# Altium PCB PCB1.PcbDoc
Units mm, origin at the board's own origin, x right, y up, seen from the top; angles counter-clockwise.
Board outline 100 x 60 mm, 2 copper layers (Top Layer, Bottom Layer); 44 components, 62 nets, 220 pads, 27 vias.
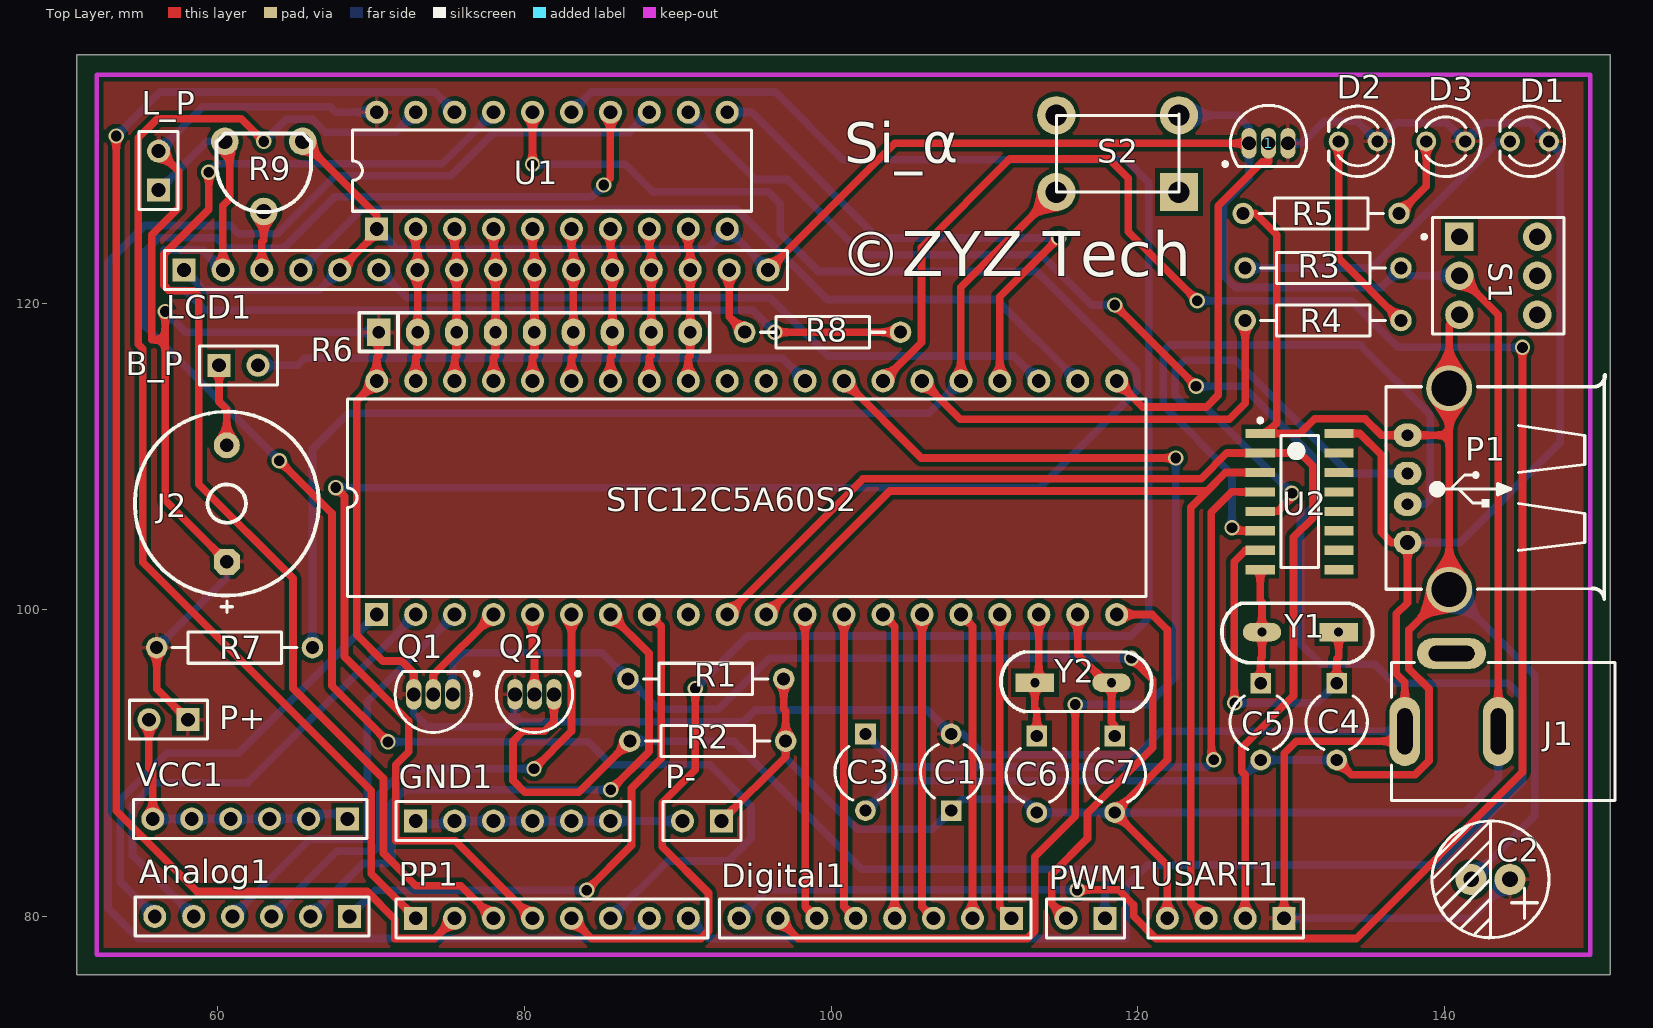
[diagram p0: Top Layer view]
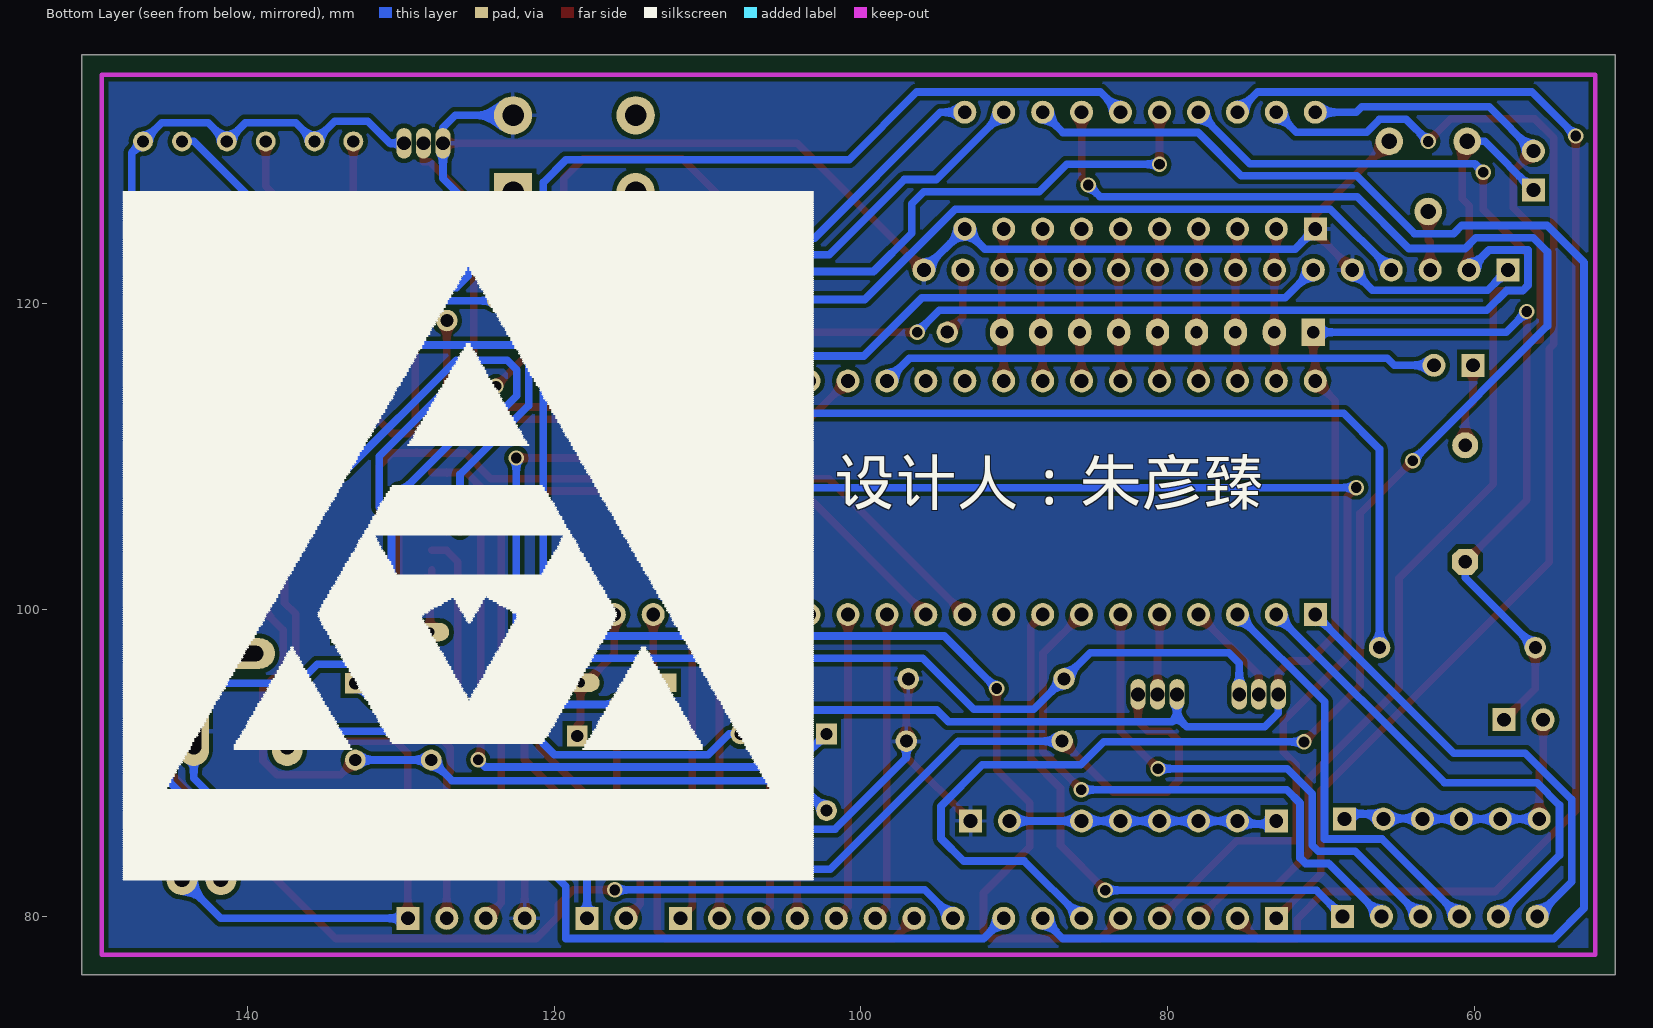
[diagram p1: Bottom Layer view, seen from below]

## Layer stack, top to bottom
Top Solder: solder mask 0.0102, Solder Resist, Dk 3.5
Top Layer: signal copper 0.0356
Dielectric 1: dielectric 0.32, FR-4, Dk 4.8
Bottom Layer: signal copper 0.0356
Bottom Solder: solder mask 0.0102, Solder Resist, Dk 3.5

## Board outline
50.8,76.2 150.8,76.2 150.8,136.2 50.8,136.2

## Design rules (kind name [scope] priority, off if disabled: settings)
Clearance [All] p1: gap=0.3
PolygonConnect [All] p1: connectstyle=Relief reliefconductorwidth=0.254 reliefentries=4 polygonreliefangle="90 Angle" airgapwidth=0.254
RoutingVias [All] p1: holewidth=0.8 width=1.6 viastyle="Through Hole" minholewidth=0.711 minwidth=1.27 maxholewidth=0.711 maxwidth=1.27
SolderMaskExpansion [All] p1: expansion=0.102
Width [All] p1: maxlimit=0.6 minlimit=0.3 preferedwidth=0.5 minimp=50.000000 maximp=50.000000 favimp=50.000000
30 further rules are at their usual default settings.

## Components (designator, comment, footprint, x,y, rotation, side; value= is the part's Value field where it differs from the comment)
1 "DS18B20" TO-92A 128.524,130.429 r270 top
Analog1 "Header 6" HDR1X6 68.58,80.01 r180 top
B_P "Beep" HDR1X2 60.071,115.951 r0 top (schematic designator P2)
C1 "Cap Semi" CAPR5-4X5 107.823,89.408 r90 top
C2 "Cap Pol2" RB.1/.3 144.272,82.423 r0 top
C3 "Cap Semi" CAPR5-4X5 102.235,89.408 r270 top
C4 "Cap Semi" CAPR5-4X5 132.969,92.71 r270 top
C5 "Cap Semi" CAPR5-4X5 128.016,92.71 r270 top
C6 "Cap Semi" CAPR5-4X5 113.411,89.281 r270 top
C7 "Cap Semi" CAPR5-4X5 118.491,89.281 r270 top
D1 "LED0" LED_A2 145.542,130.556 r0 top
D2 "LED0" LED_A2 134.366,130.556 r0 top
D3 "LED0" LED_A2 140.081,130.556 r0 top
Digital1 "Header 8H" HDR1X8 111.76,79.883 r180 top
GND1 "Header 6" HDR1X6 72.898,86.233 r0 top
J1 "PWRCON" DC-005 136.398,92.075 r180 top
J2 "BEEP-S" BEEP-S 60.579,106.934 r90 top
L_P "LCD_P" HDR1X2 56.134,127.381 r90 top (schematic designator P5)
LCD1 "LCD1602" HDR1X16 57.785,122.174 r0 top
P1 "USB" USB 137.16,108.966 r90 top
P+ "P+" HDR1X2 58.039,92.837 r180 top (schematic designator P3)
P- "P-" HDR1X2 92.837,86.233 r180 top (schematic designator P4)
PP1 "Header 8H" HDR1X8 72.898,79.883 r0 top
PWM1 "PWM OUT" HDR1X2 117.856,79.883 r180 top
Q1 "NPN" TO-92A 74.041,94.488 r90 top
Q2 "NPN" TO-92A 80.645,94.488 r90 top
R1 "Res2" AXIAL-0.4 91.821,95.504 r180 top
R2 "Res2" AXIAL-0.4 91.948,91.44 r180 top
R3 "Res2" AXIAL-0.4 132.08,122.301 r180 top
R4 "Res2" AXIAL-0.4 132.08,118.872 r0 top
R5 "Res2" AXIAL-0.4 131.953,125.857 r180 top
R6 "RES10" SIP9 70.485,118.11 r0 top
R7 "Res2" AXIAL-0.4 61.087,97.536 r180 top
R8 "Res2" AXIAL-0.4 99.441,118.11 r180 top
R9 "10K" RVR-2 62.992,129.54 r0 top
S1 "SW-SPST" SWITCH_B1 143.51,121.793 r0 top
S2 "SW-PB" SW-80 122.682,127.254 r180 top
STC12C5A60S2 "U2" DIP-40 94.488,107.315 r0 top (schematic designator STC1)
U1 "74HC573" DIP-20 81.788,128.651 r0 top
U2 "CH340G" SOIC127P600X170-16N 130.556,107.061 r0 top
USART1 "Header 4" HDR1X4 129.54,79.883 r180 top
VCC1 "Header 6" HDR1X6 68.453,86.36 r180 top
Y1 "XTAL" XTAL 133.096,98.552 r180 top
Y2 "XTAL" XTAL 113.284,95.25 r0 top

## Footprints (in the part's own frame and the unit in brackets; to place one, negate y for a bottom-side part, rotate by r counter-clockwise, add the part's x,y. Pads: shape width x height; smd on the part's side, far side on the other; paste and mask are expansions set on the pad)
AXIAL-0.4 [mm] "Axial Device, Thru-Hole; 2 Leads; 0.4 in Pin Spacing"
  round 1.4 hole 0.85: 1(-5.08,0) 2(5.08,0)
  silkscreen extent -4.06,-1.02 4.06,1.02
BEEP-S [mm] "有源蜂鸣器"
  oct 1.7x1.7 hole 0.9: 1(-3.8,0)
  round 1.7 hole 0.9: 2(3.8,0)
  silkscreen extent -7.11,-6 6,6
CAPR5-4X5 [mm] "Capacitor; 2 Leads"
  rect 1.35x1.35 hole 0.8: 1(-2.5,0)
  round 1.35 hole 0.8: 2(2.5,0)
  silkscreen extent -1.69,-2 1.82,2
DC-005 [mm] "DC电源插座"
  oval 2x4.5 hole 1 slot 3 at 90 deg: 1(-1.016,0) 2(-7.112,0)
  oval 4.5x2 hole 1 slot 3 at 0 deg: 3(-4.064,-5.08)
  silkscreen extent -14.73,-4.5 -0.13,4.5, body extent -14.59,-5.01 -0.76,4.5, height 11.02
DIP-20 [mm]
  rect 1.5x1.5 hole 0.9: 1(-11.43,-3.81)
  round 1.5 hole 0.9: 2(-8.89,-3.81) 3(-6.35,-3.81) 4(-3.81,-3.81) 5(-1.27,-3.81) 6(1.27,-3.81) 7(3.81,-3.81) 8(6.35,-3.81) 9(8.89,-3.81) 10(11.43,-3.81) 11(11.43,3.81) 12(8.89,3.81) 13(6.35,3.81) 14(3.81,3.81) 15(1.27,3.81) 16(-1.27,3.81) 17(-3.81,3.81) 18(-6.35,3.81) 19(-8.89,3.81) 20(-11.43,3.81)
  silkscreen extent -13,-2.65 13,2.65
DIP-40 [mm]
  rect 1.5x1.5 hole 0.9: 1(-24.13,-7.62)
  round 1.5 hole 0.9: 2(-21.59,-7.62) 3(-19.05,-7.62) 4(-16.51,-7.62) 5(-13.97,-7.62) 6(-11.43,-7.62) 7(-8.89,-7.62) 8(-6.35,-7.62) 9(-3.81,-7.62) 10(-1.27,-7.62) 11(1.27,-7.62) 12(3.81,-7.62) 13(6.35,-7.62) 14(8.89,-7.62) 15(11.43,-7.62) 16(13.97,-7.62) 17(16.51,-7.62) 18(19.05,-7.62) 19(21.59,-7.62) 20(24.13,-7.62) 21(24.13,7.62) 22(21.59,7.62) 23(19.05,7.62) 24(16.51,7.62) 25(13.97,7.62) 26(11.43,7.62) 27(8.89,7.62) 28(6.35,7.62) 29(3.81,7.62) 30(1.27,7.62) 31(-1.27,7.62) 32(-3.81,7.62) 33(-6.35,7.62) 34(-8.89,7.62) 35(-11.43,7.62) 36(-13.97,7.62) 37(-16.51,7.62) 38(-19.05,7.62) 39(-21.59,7.62) 40(-24.13,7.62)
  silkscreen extent -26.05,-6.45 26.05,6.45
HDR1X2 [mm] "Connector; Header; 2 Position"
  rect 1.5x1.5 hole 0.9: 1(0,0)
  round 1.5 hole 0.9: 2(2.54,0)
  silkscreen extent -1.27,-1.27 3.81,1.27
HDR1X4 [mm] "Connector; Header; 4 Position"
  rect 1.5x1.5 hole 0.9: 1(0,0)
  round 1.5 hole 0.9: 2(2.54,0) 3(5.08,0) 4(7.62,0)
  silkscreen extent -1.27,-1.27 8.89,1.27
HDR1X6 [mm] "Connector; Header; 6 Position"
  rect 1.5x1.5 hole 0.9: 1(0,0)
  round 1.5 hole 0.9: 2(2.54,0) 3(5.08,0) 4(7.62,0) 5(10.16,0) 6(12.7,0)
  silkscreen extent -1.27,-1.27 13.97,1.27
HDR1X8 [mm] "Connector; Header; 8 Position"
  rect 1.5x1.5 hole 0.9: 1(0,0)
  round 1.5 hole 0.9: 2(2.54,0) 3(5.08,0) 4(7.62,0) 5(10.16,0) 6(12.7,0) 7(15.24,0) 8(17.78,0)
  silkscreen extent -1.27,-1.27 19.05,1.27
HDR1X16 [mm] "Connector; Header; 16 Position"
  rect 1.5x1.5 hole 0.9: 1(0,0)
  round 1.5 hole 0.9: 2(2.54,0) 3(5.08,0) 4(7.62,0) 5(10.16,0) 6(12.7,0) 7(15.24,0) 8(17.78,0) 9(20.32,0) 10(22.86,0) 11(25.4,0) 12(27.94,0) 13(30.48,0) 14(33.02,0) 15(35.56,0) 16(38.1,0)
  silkscreen extent -1.27,-1.27 39.37,1.27
LED_A2 [mm] "直径3MM LED"
  round 1.3 hole 0.8: 1(1.27,0) 2(-1.27,0)
  silkscreen extent -1.91,-2.3 2.3,2.3, body extent -2,-2 2,2, height 4.5
RB.1/.3 [mil]
  round 80 hole 40: 1(0,0) 2(-100,0)
  silkscreen extent -200,-150 100,150
RVR-2 [mm]
  round 1.8 hole 1: 1(-2.54,1.016) 2(0,-3.556) 3(2.54,1.016)
  silkscreen extent -3.09,-3.6 3.09,1.52, body extent -3.2,-4.52 3.2,2.48, height 7.5
SIP9 [mil]
  rect 60x70 hole 32: 1(0,0)
  oval 60x70 hole 32: 2(100,0) 3(200,0) 4(300,0) 5(400,0) 6(500,0) 7(600,0) 8(700,0) 9(800,0)
  silkscreen extent -50,-50 850,50
SOIC127P600X170-16N [mm] "SOIC, 16-Leads, Body 8.6x4.0mm (max), Pitch 1.27mm, IPC Medium Density"
  rect 1.9x0.6 smd: 1(-2.575,4.445) 2(-2.575,3.175) 3(-2.575,1.905) 4(-2.575,0.635) 5(-2.575,-0.635) 6(-2.575,-1.905) 7(-2.575,-3.175) 8(-2.575,-4.445) 9(2.575,-4.445) 10(2.575,-3.175) 11(2.575,-1.905) 12(2.575,-0.635) 13(2.575,0.635) 14(2.575,1.905) 15(2.575,3.175) 16(2.575,4.445)
  silkscreen extent -2.7,-4.3 1.22,5.42, body extent -1.98,-4.28 1.97,4.28, height 1.7
SW-80 [mm]
  rect 2.5x2.5 hole 1.4: 1(0,0)
  round 2.5 hole 1.4: 2(0,-5) 3(8,-5) 4(8,0)
  silkscreen extent 0,-5.08 8,0
SWITCH_B1 [mm] "单刀"
  rect 1.85x1.85 hole 1.1: 1(-2.54,2.54)
  round 1.85 hole 1.1: 2(-2.54,0) 3(-2.54,-2.54) 4(2.54,-2.54) 5(2.54,0) 6(2.54,2.54)
  silkscreen extent -4.96,-3.81 4.28,3.81
TO-92A [mm] "TO, Flat Index; 3 In-Line, Axial Leads; Body Dia. 4.5mm; Leads 0.51 x 0.48 mm (max)"
  oval 2x1 hole 0.9: 1(0,-1.27) 2(0,0) 3(0,1.27)
  silkscreen extent -2.48,-2.95 1.5,2.48, body extent -2.5,-2.5 1.5,2.5, height 6.86
USB [mil]
  oval 60x70.87 hole 39.37: 1(-180,-17)
  oval 60x70.87 hole 30: 2(-81.57,-17) 3(-2.83,-17) 4(95.59,-17)
  round 118.11 hole 90.55: 5(-300.87,-123.69) 5(216.46,-123.69)
  silkscreen extent -325,-524 250,38
XTAL [mm] "XTAL"
  rect 2.5x1.2 hole 0.6: 1(0,0)
  oval 2.5x1.2 hole 0.6: 2(5,0)
  silkscreen extent -2.21,-1.88 7.62,2

## Part data
1: "温度传感器"
Analog1 GND1 VCC1: "Header, 6-Pin"
B_P L_P P+ P- PWM1: library part "Header 2", "Header, 2-Pin"
C1 C3 C4 C5 C6 C7: "Capacitor (Semiconductor SIM Model)"
C2: "Polarized Capacitor (Axial)"
D1 D2 D3: "发光二极管"
Digital1 PP1: "Header, 8-Pin, Right Angle"
J1: "直流电源端子"
J2: "有源蜂鸣器"
P1: "USB Port"
Q1 Q2: library part NPN2, "三极管"
R1 R2 R3 R4 R5 R7 R8: "Resistor"
R9: library part VR
S1: "Single-Pole, Single-Throw Switch"
S2: "Switch"
STC12C5A60S2: library part 89C51
U2: library part Component_1
USART1: "Header, 4-Pin"
Y1 Y2: "Crystal Oscillator"

## Via types
v1: diameter 1, hole 0.7, Top Layer to Bottom Layer, 27 vias

## Nets (pads, with @x,y where several pads share a name; then routed paths per layer and width w, separated by ;. In a path a pad name is that pad's centre, name@x,y a point inside that pad or via, vN(x,y) a via of type N, cw(c..) or ccw(c..) an arc to the next point about the centre after c; other vN are vias at no path point)
A0: Analog1.6 STC12C5A60S2.1 | length 30.3
  Bottom Layer w0.5: Analog1.6 53.632,82.258 53.632,87.63 56.655,90.653 61.316,90.653 STC12C5A60S2.1
A1: Analog1.5 STC12C5A60S2.2 | length 32.5
  Bottom Layer w0.5: Analog1.5 54.432,83.998 54.432,87.27 55.884,88.722 61.925,88.722 STC12C5A60S2.2
A2: Analog1.4 STC12C5A60S2.3 | length 27.9
  Bottom Layer w0.5: Analog1.4 66.01,85.06 69.753,85.06 69.753,90.04 69.745,90.048 69.745,94.002 STC12C5A60S2.3
A3: Analog1.3 STC12C5A60S2.6 | length 34.1
  Top Layer w0.5: v1(80.62,89.637) 83.058,92.075 STC12C5A60S2.6
  Bottom Layer w0.5: Analog1.3 67.75,84.26 70.168,84.26 70.553,84.645 70.553,88.003 72.187,89.637 v1(80.62,89.637)
A4: Analog1.2 STC12C5A60S2.7 | length 38.6
  Top Layer w0.5: STC12C5A60S2.7 88.118,97.175 88.118,90.76 v1(85.623,88.265)
  Bottom Layer w0.5: Analog1.2 69.49,83.46 70.993,83.46 71.353,83.82 71.353,87.406 72.212,88.265 v1(85.623,88.265)
A5: Analog1.1 STC12C5A60S2.8 | length 36.5
  Top Layer w0.5: v1(84.049,81.712) 86.973,84.637 86.973,88.365 88.918,90.31 88.918,98.915 STC12C5A60S2.8
  Bottom Layer w0.5: Analog1.1 70.282,81.712 v1(84.049,81.712)
GND: 1.1 C1.1 C6.2 C7.2 J1.2 LCD1.1 LCD1.5 LCD1.16 P-.1 R1.1 R2.1 R3.1 R9.3 S1.2 S2.2 STC12C5A60S2.20 U1.1 U1.10 USART1.4 | length 238.7
  Top Layer w0.5: R9.3 70.358,125.73 U1.1 70.358,124.587 LCD1.5 ; P-.1 97.028,90.424 R2.1 97.028,93.396 96.901,93.523 R1.1 ; LCD1.16 104.14,130.429 1.1 ; STC12C5A60S2.20 120.939,99.695 121.931,98.702 121.931,90.221 C7.2 121.92,83.352 USART1.4 ; S1.2 143.51,119.253 J1.2
  Bottom Layer w0.5: LCD1.1 59.106,120.853 66.624,120.853 LCD1.5 ; U1.1 71.679,123.52 91.897,123.52 U1.10 LCD1.16 ; R2.1 97.028,90.342 101.687,85.683 106.598,85.683 C1.1 108.559,87.644 112.548,87.644 C6.2 C7.2 141.275,86.781 143.51,89.016 J1.2 ; S2.2 126.445,132.254 127.254,131.445 1.1 127.254,128.143 125.603,126.492 125.603,121.793 126.365,121.031 135.89,121.031 R3.1 137.668,121.793 S1.2
LCD+: L_P.1 LCD1.2 R8.1 R9.1 | length 70.5
  Top Layer w0.5: LCD1.2 60.325,126.365 60.778,126.818 60.778,129.906 60.452,129.906 R9.1 ; v1(96.317,118.11) R8.1
  Bottom Layer w0.5: L_P.1 59.309,130.556 R9.1 ; LCD1.2 59.025,123.474 56.485,123.474 56.485,121.175 56.832,120.828 57.887,120.828 59.165,119.549 94.878,119.549 v1(96.317,118.11)
NetC2_2: C2.2 C3.2 C4.2 C5.2 P1.4 P1.5 R5.2 S1.3 U2.1 | length 122
  Top Layer w0.5: R5.2 127.653,125.857 129.05,124.46 129.05,112.194 U2.1@128.362,111.506 ; U2.1 U2.1@128.362,111.506 ; C4.2 133.923,89.256 138.074,89.256 138.989,90.17 138.989,94.844 137.662,96.17 137.662,98.684 140.302,101.324 140.31,101.332 140.31,111.394 ; S1.3 140.302,118.585 140.302,114.464 140.31,114.456 140.31,111.394 ; U2.1@128.362,111.506 130.566,111.506 131.531,112.471 134.813,112.471 135.89,111.394 P1.4 140.31,111.394
  Bottom Layer w0.5: C3.2 104.18,88.853 126.659,88.853 C5.2 C4.2 ; P1.5@140.302,101.324 145.898,95.728 145.898,86.589 C2.2
NetC3_1: C3.1 U2.4 | length 43.8
  Top Layer w0.5: v1(124.955,90.221) 124.786,90.39 124.786,106.363 126.12,107.696 U2.4
  Bottom Layer w0.5: C3.1 104.392,89.751 124.486,89.751 v1(124.955,90.221)
NetD1_2: D1.2 R3.2 | length 20.7
  Bottom Layer w0.5: R3.2 135.255,122.301 143.51,130.556 D1.2
NetD2_2: D2.2 R4.2 | length 13.4
  Top Layer w0.5: D2.2 133.096,122.936 R4.2
NetD3_2: D3.2 R5.1 | length 5.4
  Top Layer w0.5: R5.1 138.811,127.635 D3.2
NetGND1_1: GND1.1 GND1.2 GND1.3 GND1.4 GND1.5 GND1.6 P-.2 | length 17.6
  Bottom Layer w0.5: GND1.1 73.099,86.032 75.237,86.032 GND1.2 GND1.3 GND1.4 GND1.5 GND1.6 P-.2
NetJ2_2: B_P.1 J2.2 | length 5.4
  Top Layer w0.5: B_P.1 60.071,113.589 60.579,113.081 J2.2
NetLCD1_3: LCD1.3 R9.2 | length 3.9
  Top Layer w0.5: LCD1.3 62.865,124.003 62.992,124.13 R9.2
NetLCD1_15: LCD1.15 R8.2 | length 4.5
  Top Layer w0.5: LCD1.15 93.345,119.126 R8.2
NetP3_2: P+.2 VCC1.1 VCC1.2 VCC1.3 VCC1.4 VCC1.5 VCC1.6 | length 19.6
  Top Layer w0.5: P+.2 55.499,89.713 55.753,89.459 VCC1.6
  Bottom Layer w0.5: VCC1.6 VCC1.5 VCC1.4 VCC1.3 63.406,86.393 65.88,86.393 VCC1.2 66.254,86.701 68.112,86.701 VCC1.1
NetPP1_1: PP1.1 U1.19 | length 79.1
  Top Layer w0.5: v1(62.992,130.556) 61.519,132.029 56.058,132.029 54.811,130.782 54.811,117.32 55.093,117.038 55.093,103.099 69.998,88.193 69.998,82.783 PP1.1
  Bottom Layer w0.5: v1(62.992,130.556) 64.442,132.006 66.165,132.006 67.01,131.161 71.598,131.161 U1.19
NetPP1_2: PP1.2 U1.18 | length 94.6
  Top Layer w0.5: v1(53.365,130.912) 53.365,86.893 58.623,81.636 69.723,81.636 71.526,79.832 71.526,78.562 74.117,78.562 PP1.2
  Bottom Layer w0.5: v1(53.365,130.912) 56.236,133.782 74.117,133.782 U1.18
NetPP1_3: PP1.3 U1.17 | length 81.6
  Top Layer w0.5: v1(59.411,128.549) 59.411,126.116 56.485,123.19 56.485,121.167 56.832,120.82 58.42,120.82 58.75,120.49 58.75,108.204 64.897,102.057 64.897,94.899 70.798,88.998 70.798,84.125 72.906,82.017 75.844,82.017 PP1.3
  Bottom Layer w0.5: v1(59.411,128.549) 59.967,129.106 74.623,129.106 U1.17
NetPP1_4: PP1.4 U1.16 | length 142
  Top Layer w0.5: v1(67.691,107.975) 68.258,107.408 68.258,96.938 72.448,92.748 72.448,90.741 71.598,89.891 71.598,84.933 75.468,84.933 PP1.4 ; v1(80.518,129.061) U1.16
  Bottom Layer w0.5: v1(67.691,107.975) 113.593,107.975 119.918,114.3 119.918,115.57 113.416,122.072 99.172,122.072 96.672,124.573 96.672,126.48 95.885,127.268 88.367,127.268 86.574,129.061 v1(80.518,129.061)
NetPP1_5: PP1.5 U1.15 | length 128.2
  Top Layer w0.5: PP1.5 84.379,78.562 91.504,78.562 91.999,79.057 91.999,81.534 88.976,84.557 88.976,87.422 91.135,89.581 v1(91.135,94.869)
  Bottom Layer w0.5: U1.15 84.379,133.782 96.342,133.782 100.762,129.362 119.228,129.362 120.718,127.872 120.718,99.484 119.532,98.298 94.564,98.298 v1(91.135,94.869)
NetPP1_6: PP1.6 U1.14 | length 114.7
  Top Layer w0.5: v1(64.008,109.728) 67.437,106.299 67.437,95.047 v1(71.095,91.389) ; v1(85.166,127.711) 85.598,128.143 U1.14
  Bottom Layer w0.5: v1(64.008,109.728) 55.216,118.52 55.216,123.356 56.134,124.274 59.885,124.274 60.588,123.571 64.262,123.571 67.632,126.941 84.396,126.941 v1(85.166,127.711) ; v1(71.095,91.389) 84.15,91.389 85.649,89.891 92.075,89.891 94.767,87.198 94.767,85.09 93.294,83.617 89.332,83.617 PP1.6
NetPP1_7: PP1.7 U1.13 | length 118.6
  Bottom Layer w0.5: PP1.7 86.817,78.562 54.813,78.562 52.832,80.543 52.832,122.661 55.245,125.074 60.804,125.074 61.344,124.534 63.881,124.534 67.653,128.306 75.174,128.306 78.008,131.14 86.817,131.14 U1.13
NetPP1_8: PP1.8 U1.12 | length 145.2
  Top Layer w0.5: v1(118.491,119.888) v1(123.8,114.579)
  Bottom Layer w0.5: PP1.8 91.999,78.562 119.253,78.562 119.253,81.966 120.65,83.363 139.693,83.363 145.085,88.754 145.085,94.285 144.145,95.225 136.677,95.225 135.458,96.444 131.953,96.444 130.607,97.79 130.607,105.92 131.398,106.711 131.398,110.022 126.841,114.579 v1(123.8,114.579) ; U1.12 95.071,128.068 97.155,128.068 102.058,123.165 113.69,123.165 116.967,119.888 v1(118.491,119.888)
NetPWM1_1: PWM1.1 Q2.1 R2.2 | length 54.4
  Top Layer w0.5: Q2.1 81.915,92.71 81.28,92.075 79.883,92.075 79.248,91.44 79.248,88.875 80.01,88.113 83.541,88.113 R2.2
  Bottom Layer w0.5: R2.2 93.653,91.44 102.006,83.087 117.62,83.087 117.856,82.851 PWM1.1
NetPWM1_2: PWM1.2 Q1.1 R1.2 | length 70.2
  Top Layer w0.5: PWM1.2 114.376,80.823 114.376,82.753 116.714,85.09 116.714,86.742 120.98,91.008 120.98,95.453 v1(119.583,96.85)
  Bottom Layer w0.5: Q1.1 75.311,96.52 75.997,97.206 85.039,97.206 R1.2 88.731,93.514 92.625,93.514 95.961,96.85 v1(119.583,96.85)
P00: LCD1.7 R6.2 STC12C5A60S2.39 U1.2 | length 10
  Top Layer w0.5: STC12C5A60S2.39 72.898,116.459 73.025,116.586 R6.2 LCD1.7 73.025,123.444 72.898,123.571 U1.2
P01: LCD1.8 R6.3 STC12C5A60S2.38 U1.3 | length 10
  Top Layer w0.5: STC12C5A60S2.38 75.438,116.459 75.565,116.586 R6.3 LCD1.8 75.565,123.444 75.438,123.571 U1.3
P02: LCD1.9 R6.4 STC12C5A60S2.37 U1.4 | length 10
  Top Layer w0.5: STC12C5A60S2.37 77.978,116.459 78.105,116.586 R6.4 LCD1.9 78.105,123.444 77.978,123.571 U1.4
P03: LCD1.10 R6.5 STC12C5A60S2.36 U1.5 | length 10
  Top Layer w0.5: STC12C5A60S2.36 80.518,116.459 80.645,116.586 R6.5 LCD1.10 80.645,123.444 80.518,123.571 U1.5
P04: LCD1.11 R6.6 STC12C5A60S2.35 U1.6 | length 10
  Top Layer w0.5: STC12C5A60S2.35 83.058,116.459 83.185,116.586 R6.6 LCD1.11 83.185,123.444 83.058,123.571 U1.6
P05: LCD1.12 R6.7 STC12C5A60S2.34 U1.7 | length 10
  Top Layer w0.5: STC12C5A60S2.34 85.598,116.459 85.725,116.586 R6.7 LCD1.12 85.725,123.444 85.598,123.571 U1.7
P06: LCD1.13 R6.8 STC12C5A60S2.33 U1.8 | length 10
  Top Layer w0.5: STC12C5A60S2.33 88.138,116.459 88.265,116.586 R6.8 LCD1.13 88.265,123.444 88.138,123.571 U1.8
P07: LCD1.14 R6.9 STC12C5A60S2.32 U1.9 | length 10
  Top Layer w0.5: STC12C5A60S2.32 90.678,116.459 90.805,116.586 R6.9 LCD1.14 90.805,123.444 90.678,123.571 U1.9
P20: 1.2 STC12C5A60S2.21 | length 25.7
  Top Layer w0.5: STC12C5A60S2.21 120.324,113.229 124.46,113.229 125.247,114.017 125.247,126.365 128.105,129.222 128.524,129.222 1.2
P21: LCD1.4 STC12C5A60S2.22 | length 57
  Bottom Layer w0.5: LCD1.4 69.372,126.141 93.848,126.141 99.746,120.244 110.769,120.244 STC12C5A60S2.22
P22: LCD1.6 STC12C5A60S2.23 | length 46.1
  Bottom Layer w0.5: LCD1.6 72.31,120.349 96.008,120.349 99.797,116.561 111.912,116.561 STC12C5A60S2.23
P23: STC12C5A60S2.24 U1.11 | length 35.9
  Top Layer w0.5: STC12C5A60S2.24 110.998,120.421 v1(114.833,124.257)
  Bottom Layer w0.5: U1.11 94.806,132.461 103.01,124.257 v1(114.833,124.257)
P24: R7.1 S2.4 STC12C5A60S2.25 | length 72
  Top Layer w0.5: STC12C5A60S2.25 108.458,121.03 S2.4
  Bottom Layer w0.5: R7.1 66.167,110.49 68.504,112.827 106.35,112.827 STC12C5A60S2.25
P25: R4.1 STC12C5A60S2.26 | length 27.9
  Top Layer w0.5: STC12C5A60S2.26 108.424,112.429 125.95,112.429 127,113.48 R4.1
P26: Digital1.8 STC12C5A60S2.27 | length 144.3
  Top Layer w0.5: STC12C5A60S2.27 105.893,117.45 105.893,123.647 111.658,129.413 118.11,129.413 119.38,128.143 119.38,124.663 v1(123.876,120.167) ; v1(116.053,81.737) 118.745,81.737 119.736,80.747 119.736,80.01 121.183,78.562 134.239,78.562 145.085,89.408 v1(145.085,117.119)
  Bottom Layer w0.5: Digital1.8 95.834,81.737 v1(116.053,81.737) ; v1(123.876,120.167) 133.909,120.167 136.957,117.119 v1(145.085,117.119)
P27: Digital1.7 STC12C5A60S2.28 | length 78.6
  Top Layer w0.5: Digital1.7 97.841,78.562 112.772,78.562 113.268,79.057 113.268,83.887 115.914,86.533 v1(115.914,93.828) ; STC12C5A60S2.28 105.867,109.906 v1(122.466,109.906)
  Bottom Layer w0.5: v1(115.914,93.828) 120.65,93.828 122.466,95.644 v1(122.466,109.906)
P32: Digital1.6 STC12C5A60S2.12 | length 20.1
  Top Layer w0.5: STC12C5A60S2.12 98.298,80.645 Digital1.6
P33: Digital1.5 STC12C5A60S2.13 | length 20.1
  Top Layer w0.5: STC12C5A60S2.13 100.838,80.645 Digital1.5
P34: Digital1.4 STC12C5A60S2.14 | length 20.1
  Top Layer w0.5: STC12C5A60S2.14 104.14,98.933 Digital1.4
P35: Digital1.3 STC12C5A60S2.15 | length 20.1
  Top Layer w0.5: STC12C5A60S2.15 105.918,80.645 Digital1.3
P36: Digital1.2 STC12C5A60S2.16 | length 20.1
  Top Layer w0.5: STC12C5A60S2.16 109.22,98.933 Digital1.2
P37: Digital1.1 STC12C5A60S2.17 | length 20.1
  Top Layer w0.5: STC12C5A60S2.17 110.998,80.645 Digital1.1
P44: B_P.2 STC12C5A60S2.29 | length 36.5
  Bottom Layer w0.5: B_P.2 65.202,115.951 65.659,116.408 96.825,116.408 STC12C5A60S2.29
PWM1: Q1.2 STC12C5A60S2.4 | length 6.8
  Top Layer w0.5: Q1.2 74.041,95.758 STC12C5A60S2.4
PWM2: Q2.2 STC12C5A60S2.5 | length 5.3
  Top Layer w0.5: STC12C5A60S2.5 80.518,97.206 80.645,97.079 Q2.2
RXD: STC12C5A60S2.10 U2.2 USART1.2 | length 74.4
  Top Layer w0.5: STC12C5A60S2.10 102.079,108.556 124.13,108.556 125.81,110.236 U2.2 130.574,110.236 131.398,109.412 131.398,105.977 130.15,104.728 130.15,94.386 126.771,91.008 126.771,89.459 127,89.23 USART1.2
TXD: STC12C5A60S2.11 U2.3 USART1.3 | length 64.8
  Top Layer w0.5: STC12C5A60S2.11 103.819,107.756 124.52,107.756 ; USART1.3 123.44,80.903 123.44,106.676 124.52,107.756 ; U2.3 125.73,108.966 124.52,107.756
UD+: P1.3 U2.5 | length 33.1
  Top Layer w0.5: U2.5 129.134,106.426 130.048,107.34 v1(130.048,107.613)
  Bottom Layer w0.5: v1(130.048,107.613) 124.432,113.229 123.19,113.229 122.45,113.97 122.45,115.668 123.058,116.276 126.396,116.276 133.778,108.894 P1.3
UD-: P1.2 U2.6 | length 41.9
  Top Layer w0.5: v1(126.136,105.359) 126.34,105.156 U2.6
  Bottom Layer w0.5: v1(126.136,105.359) 126.136,108.848 121.65,113.335 121.65,116.862 122.06,117.272 134.518,117.272 139.065,112.725 139.065,107.212 138.748,106.894 P1.2
VCC: 1.3 C1.2 C2.1 D1.1 D2.1 D3.1 J1.1 J2.1 L_P.2 P1.1 P+.1 Q1.3 Q2.3 R6.1 R7.2 STC12C5A60S2.40 U1.20 U2.16 USART1.1 | length 283.6
  Top Layer w0.5: R7.2 56.007,94.869 P+.1 ; L_P.2 57.455,128.6 57.455,126.23 55.685,124.46 55.685,117.614 56.566,117.614 ; v1(56.566,119.456) 56.566,117.614 ; J2.1 56.566,107.147 56.566,117.614 ; R6.1 70.485,116.586 70.358,116.459 STC12C5A60S2.40 69.058,113.635 69.058,98.374 70.764,96.668 71.988,96.668 72.771,95.885 Q1.3 ; USART1.1 129.54,90.653 130.327,91.44 137.414,91.44 J1.1 137.414,95.275 136.862,95.827 136.862,99.746 137.592,100.476 P1.1 136.525,104.394 135.865,105.054 135.865,110.109 134.468,111.506 U2.16
  Bottom Layer w0.5: R7.2 60.579,102.108 J2.1 ; L_P.2 59.019,132.806 67.33,132.806 67.675,132.461 U1.20 ; v1(56.566,119.456) 57.912,118.11 R6.1 ; Q1.3 72.771,93.269 73.66,92.38 78.74,92.38 79.375,93.015 ; Q2.3 79.375,93.015 ; USART1.1 141.732,79.883 C2.1 ; 1.3 130.708,130.429 132.156,131.877 134.315,131.877 D2.1 136.855,131.775 140.132,131.775 D3.1 142.57,131.775 145.593,131.775 D1.1 147.549,129.819 147.549,110.922 141.021,104.394 P1.1 ; J1.1 121.501,92.075 119.977,90.551 109.942,90.551 108.585,91.908 C1.2 106.259,93.472 95.038,93.472 94.28,92.714 79.676,92.714 79.375,93.015
X1: C6.1 STC12C5A60S2.18 Y2.1 | length 8.2
  Top Layer w0.5: C6.1 113.411,93.447 113.284,93.574 Y2.1 113.538,95.25 STC12C5A60S2.18
X2: C7.1 STC12C5A60S2.19 Y2.2 | length 9.1
  Top Layer w0.5: STC12C5A60S2.19 116.078,97.118 117.946,95.25 Y2.2 118.284,92.685 118.491,92.478 C7.1
XI: C4.1 U2.7 Y1.1 | length 21.8
  Top Layer w0.5: v1(126.314,93.929) 126.289,93.955 126.289,103.149 127.025,103.886 U2.7 ; C4.1 132.969,96.799 133.096,96.926 Y1.1
  Bottom Layer w0.5: v1(126.314,93.929) 131.688,93.929 C4.1
XO: C5.1 U2.8 Y1.2 | length 7.5
  Top Layer w0.5: U2.8 127.981,100.623 128.096,100.508 Y1.2 128.096,96.905 128.016,96.825 C5.1
pads on no net: J1.3 S1.1 S1.4 S1.5 S1.6 S2.1 S2.3 STC12C5A60S2.9 STC12C5A60S2.30 STC12C5A60S2.31 U2.9 U2.10 U2.11 U2.12 U2.13 U2.14 U2.15

## Polygon pours and split planes (outlines as drawn)
GND on Bottom Layer "Top Layer-No Net" (solid, pour order 0): 52.1,134.9 149.5,134.9 149.5,77.5 52.1,77.5
VCC on Top Layer "Top Layer-No Net" (solid, pour order 2): 52.1,134.9 149.5,134.9 149.5,77.5 52.1,77.5

## Keep-outs
Keep-Out Layer:
  lines w0.3: 52.1,77.5 149.5,77.5 149.5,134.9 52.1,134.9 52.1,77.5

## Silkscreen, mask and mechanical layers (free items; w line width, h text height)
Top Overlay:
  text "Si_α" at 100.838,128.27 h4.5
  text "©ZYZ Tech" at 100.584,120.777 h5
Bottom Overlay:
  drawing of 1001 lines, arcs and shapes, not listed
  text "设计人：朱彦臻" at 101.727,105.918 h5
Drill Drawing:
  text ".LEGEND" at 155.88,81.28 h1.52
  text "Drill Drawing." at 155.194,78.994 h1.52

## Dimensions
52.1,77.5 to 149.5,77.5 on Mechanical 1
52.1,77.5 to 52.1,134.9 on Mechanical 1